# Altium PCB WX0.012.446PCB-4.2.PcbDoc (part 3 of 3)
Units mm, origin at the board's own origin, x right, y up, seen from the top; angles counter-clockwise.
Board outline 102 x 67 mm, 4 copper layers (Top Layer, GND, VCC, Bottom Layer), stack 1.581 mm thick; 212 components, 155 nets, 673 pads, 449 vias.
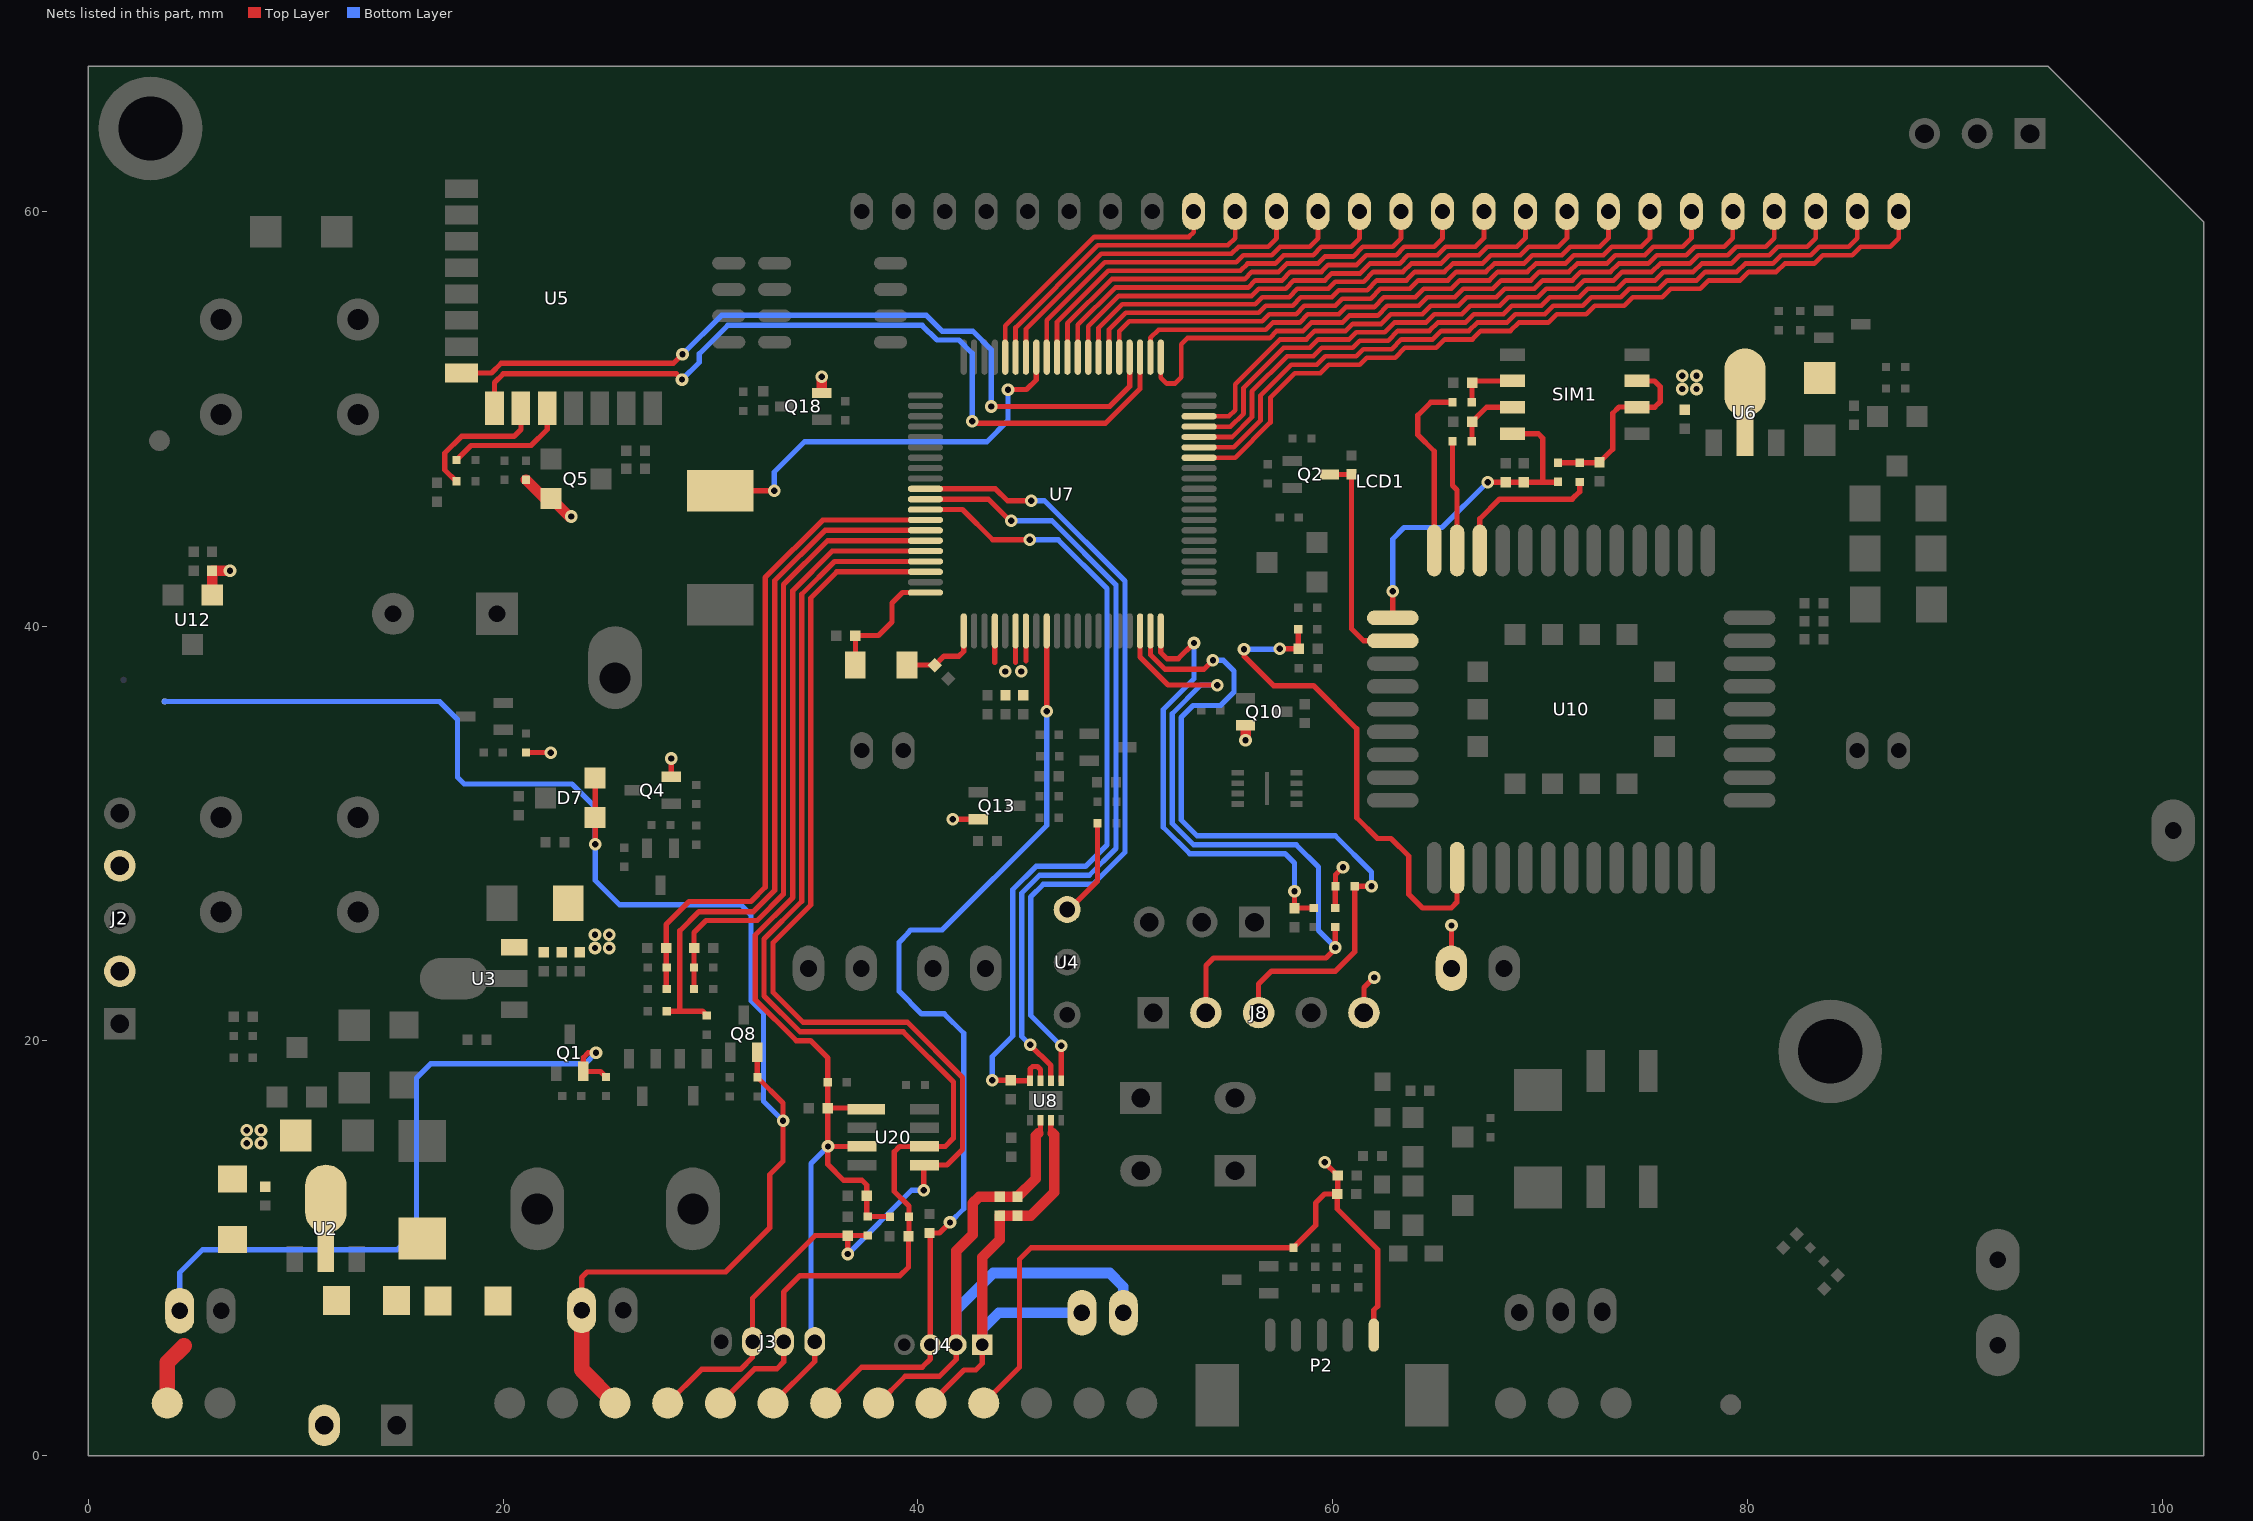
[diagram p5: the nets of this part, all layers, seen from the top]

## Via types
v1: diameter 0.61, hole 0.305, Top Layer to Bottom Layer, tented both sides, 449 vias

## Nets (pads, with @x,y where several pads share a name; then routed paths per layer and width w, separated by ;. In a path a pad name is that pad's centre, name@x,y a point inside that pad or via, vN(x,y) a via of type N, cw(c..) or ccw(c..) an arc to the next point about the centre after c; other vN are vias at no path point) (continued)
NetR39_2: R39.2 U5.10 | length 6.8
  Top Layer w0.254: R39.2@17.755,46.971 17.19,47.536 17.19,48.349 17.997,49.156 20.53,49.156 20.861,49.487 U5.10@20.861,50.509
NetR40_1: R40.1 U5.11 | length 6
  Top Layer w0.254: R40.1@17.755,48.013 18.459,48.717 21.354,48.717 22.131,49.494 U5.11@22.131,50.509
NetR48_1: R48.1 U4.1 | length 4.8
  Top Layer w0.254: U4.1@47.2,26.34 47.295,26.34 48.664,27.709 R48.1@48.664,30.501
RESET: C61.1 Q2.3 U10.15 | length 10.7
  Top Layer w0.254: Q2.3@59.852,47.317 60.881,47.317 C61.1@60.909,47.289 ; C61.1@60.909,47.32 C61.1@60.909,47.289 ; U10.15@62.9,39.3 61.487,39.3 60.909,39.878 C61.1@60.909,47.289
RST: C49.2 R95.1 U7.80 | length 22.7
  Top Layer w0.254: U7.80@51.715,39.774 51.715,38.737 52.021,38.43 52.553,38.43 v1(53.315,39.192) ; v1(58.161,27.224) C49.2@58.161,26.401 58.174,26.414 R95.1@59.096,26.414
  Bottom Layer w0.254: v1(53.315,39.192) 53.315,37.465 51.834,35.984 51.834,30.308 53.109,29.032 57.709,29.032 58.161,28.58 v1(58.161,27.224)
RXD4: U5.9 U7.23 | length 40.1
  Top Layer w0.254: U5.9@19.59,50.5 U5.9@19.591,50.509 19.591,51.747 20.015,52.172 28.346,52.172 v1(28.626,51.892) ; v1(42.621,49.886) 42.723,49.784 49.047,49.784 50.715,51.451 U7.23@50.715,52.974
  Bottom Layer w0.254: v1(28.626,51.892) 29.464,52.73 29.464,53.137 30.836,54.508 40.208,54.508 40.919,53.797 41.986,53.797 42.621,53.162 v1(42.621,49.886)
SEG0: LCD1.26 U7.14 | length 40.4
  Top Layer w0.229: U7.14@53.565,48.124 55.3,48.124 57,49.824 57,51.025 58.179,52.204 59.414,52.204 59.821,52.61 61.314,52.61 61.653,52.949 63.01,52.949 63.484,53.423 65.004,53.423 65.41,53.83 66.741,53.83 67.148,54.236 68.573,54.236 68.979,54.642 70.404,54.642 70.811,55.049 72.236,55.049 72.643,55.455 74.068,55.455 74.474,55.862 75.899,55.862 76.306,56.268 77.731,56.268 78.138,56.674 79.662,56.674 80.068,57.081 81.394,57.081 81.801,57.487 83.226,57.487 83.633,57.894 85.058,57.894 85.464,58.3 86.889,58.3 87.3,58.711 LCD1.26@87.3,60.25
SEG1: LCD1.25 U7.15 | length 38.2
  Top Layer w0.229: U7.15@53.565,48.624 55.225,48.624 56.519,49.918 56.519,51.119 58.01,52.61 59.246,52.61 59.653,53.017 61.145,53.017 61.484,53.356 62.842,53.356 63.316,53.83 64.835,53.83 65.242,54.236 66.573,54.236 66.979,54.642 68.404,54.642 68.811,55.049 70.236,55.049 70.643,55.455 72.068,55.455 72.474,55.862 73.899,55.862 74.306,56.268 75.731,56.268 76.138,56.674 77.563,56.674 77.969,57.081 79.494,57.081 79.9,57.487 81.226,57.487 81.633,57.894 83.058,57.894 83.464,58.3 84.889,58.3 85.3,58.711 LCD1.25@85.3,60.25
SEG2: LCD1.24 U7.16 | length 36
  Top Layer w0.229: U7.16@53.565,49.124 55.15,49.124 56.113,50.087 56.113,51.325 57.805,53.017 59.078,53.017 59.484,53.423 60.977,53.423 61.316,53.762 62.674,53.762 63.148,54.236 64.667,54.236 65.073,54.642 66.404,54.642 66.811,55.049 68.236,55.049 68.643,55.455 70.068,55.455 70.474,55.862 71.899,55.862 72.306,56.268 73.731,56.268 74.138,56.674 75.563,56.674 75.969,57.081 77.394,57.081 77.801,57.487 79.226,57.487 79.633,57.894 81.058,57.894 81.464,58.3 82.889,58.3 83.3,58.711 LCD1.24@83.3,60.25
SEG3: LCD1.19 U7.25 | length 28.2
  Top Layer w0.229: U7.25@49.715,52.974 49.715,54.231 50.19,54.706 56.599,54.706 56.942,55.049 58.236,55.049 58.643,55.455 60.135,55.455 60.474,55.794 61.832,55.794 62.306,56.268 63.731,56.268 64.138,56.674 65.563,56.674 65.969,57.081 67.394,57.081 67.801,57.487 69.226,57.487 69.633,57.894 71.058,57.894 71.464,58.3 72.889,58.3 73.3,58.711 LCD1.19@73.3,60.25
SEG4: LCD1.18 U7.26 | length 26.8
  Top Layer w0.229: U7.26@49.215,52.974 49.215,54.305 50.022,55.113 56.431,55.113 56.773,55.455 58.068,55.455 58.474,55.862 59.967,55.862 60.306,56.201 61.664,56.201 62.138,56.674 63.563,56.674 63.969,57.081 65.394,57.081 65.801,57.487 67.226,57.487 67.633,57.894 69.058,57.894 69.464,58.3 70.889,58.3 71.3,58.711 LCD1.18@71.3,60.25
SEG5: LCD1.17 U7.27 | length 25.7
  Top Layer w0.229: U7.27@48.715,52.974 48.715,54.38 49.854,55.519 56.263,55.519 56.605,55.862 57.899,55.862 58.306,56.268 59.799,56.268 60.138,56.607 61.495,56.607 61.969,57.081 63.394,57.081 63.801,57.487 65.226,57.487 65.633,57.894 67.058,57.894 67.464,58.3 68.889,58.3 69.3,58.711 69.3,60.25 LCD1.17@69.3,59.9
SEG6: LCD1.16 U7.28 | length 23.9
  Top Layer w0.229: U7.28@48.215,52.974 48.215,54.455 49.685,55.926 56.094,55.926 56.437,56.268 57.731,56.268 58.138,56.674 59.63,56.674 59.969,57.013 61.327,57.013 61.801,57.487 63.226,57.487 63.633,57.894 65.058,57.894 65.464,58.3 66.889,58.3 67.3,58.711 LCD1.16@67.3,60.25
SEG7: LCD1.15 U7.29 | length 23.5
  Top Layer w0.229: U7.29@47.715,52.974 47.715,54.53 49.517,56.332 55.926,56.332 56.268,56.674 57.563,56.674 57.969,57.081 59.462,57.081 59.801,57.42 61.159,57.42 61.633,57.894 63.058,57.894 63.464,58.3 64.889,58.3 65.3,58.711 65.3,60.25 LCD1.15@65.3,59.2
SEG8: LCD1.14 U7.30 | length 21
  Top Layer w0.229: U7.30@47.215,52.974 47.215,54.604 49.349,56.738 55.758,56.738 56.1,57.081 57.394,57.081 57.801,57.487 59.294,57.487 59.633,57.826 60.99,57.826 61.464,58.3 62.889,58.3 63.3,58.711 LCD1.14@63.3,60.25
SEG9: LCD1.13 U7.31 | length 19.5
  Top Layer w0.229: U7.31@46.715,52.974 46.715,54.679 49.18,57.145 55.558,57.145 55.9,57.487 57.226,57.487 57.633,57.894 59.058,57.894 59.464,58.3 60.889,58.3 61.3,58.711 LCD1.13@61.3,60.25
SEG10: LCD1.12 U7.32 | length 18
  Top Layer w0.229: U7.32@46.215,52.974 46.215,54.754 49.012,57.551 55.358,57.551 55.7,57.894 57.058,57.894 57.464,58.3 58.889,58.3 59.3,58.711 LCD1.12@59.3,60.25
SEG11: LCD1.11 U7.34 | length 16.8
  Top Layer w0.229: U7.34@45.215,52.974 45.215,54.328 48.844,57.958 55.122,57.958 55.464,58.3 56.889,58.3 57.3,58.711 LCD1.11@57.3,60.25
SEG12: LCD1.10 U7.35 | length 15.3
  Top Layer w0.229: U7.35@44.715,52.974 44.715,54.403 48.675,58.364 54.953,58.364 55.3,58.711 LCD1.10@55.3,60.25
SEG32: LCD1.23 U7.17 | length 33.8
  Top Layer w0.229: U7.17@53.565,49.624 55.075,49.624 55.706,50.255 55.706,51.493 57.637,53.423 58.909,53.423 59.316,53.83 60.809,53.83 61.148,54.169 62.505,54.169 62.979,54.642 64.499,54.642 64.905,55.049 66.236,55.049 66.643,55.455 68.068,55.455 68.474,55.862 69.899,55.862 70.306,56.268 71.731,56.268 72.138,56.674 73.563,56.674 73.969,57.081 75.394,57.081 75.801,57.487 77.226,57.487 77.633,57.894 79.058,57.894 79.464,58.3 80.889,58.3 81.3,58.711 LCD1.23@81.3,60.25
SEG33: LCD1.22 U7.18 | length 31.7
  Top Layer w0.229: U7.18@53.565,50.124 55.001,50.124 55.3,50.423 55.3,51.661 57.468,53.83 58.741,53.83 59.148,54.236 60.64,54.236 60.979,54.575 62.337,54.575 62.811,55.049 64.33,55.049 64.737,55.455 66.068,55.455 66.474,55.862 67.899,55.862 68.306,56.268 69.731,56.268 70.138,56.674 71.563,56.674 71.969,57.081 73.394,57.081 73.801,57.487 75.226,57.487 75.633,57.894 77.058,57.894 77.464,58.3 78.889,58.3 79.3,58.711 79.3,60.25 LCD1.22@79.3,60.1
SEG34: LCD1.21 U7.21 | length 32.1
  Top Layer w0.229: U7.21@51.715,52.974 51.715,51.985 52,51.7 52.4,51.7 52.7,52 52.7,53.594 53,53.894 56.958,53.894 57.3,54.236 58.573,54.236 58.979,54.642 60.472,54.642 60.811,54.981 62.169,54.981 62.643,55.455 64.162,55.455 64.568,55.862 65.899,55.862 66.306,56.268 67.731,56.268 68.138,56.674 69.563,56.674 69.969,57.081 71.394,57.081 71.801,57.487 73.226,57.487 73.633,57.894 75.058,57.894 75.464,58.3 76.889,58.3 77.3,58.711 LCD1.21@77.3,60.25
SEG35: LCD1.20 U7.22 | length 28.5
  Top Layer w0.229: U7.22@51.215,52.974 51.215,53.908 51.606,54.3 56.768,54.3 57.11,54.642 58.404,54.642 58.811,55.049 60.304,55.049 60.643,55.388 62,55.388 62.474,55.862 63.994,55.862 64.4,56.268 65.731,56.268 66.138,56.674 67.563,56.674 67.969,57.081 69.394,57.081 69.801,57.487 71.226,57.487 71.633,57.894 73.058,57.894 73.464,58.3 74.889,58.3 75.3,58.711 LCD1.20@75.3,60.25
SEG36: LCD1.9 U7.36 | length 13.7
  Top Layer w0.229: U7.36@44.215,52.974 44.215,54.478 48.507,58.77 53.07,58.77 53.3,59 LCD1.9@53.3,60.25
SIM_CLK: R52.1 U10.13 | length 8.8
  Top Layer w0.254: U10.13@64.9,43.65 64.9,48.435 64.11,49.225 64.11,50.171 64.738,50.8 R52.1@65.783,50.8
SIM_DATA: R21.1 U10.11 | length 7.4
  Top Layer w0.254: U10.11@67.1,43.65 67.1,45.18 68.047,46.126 71.552,46.126 71.914,46.489 R21.1@71.914,46.959
SIM_RST: R17.1 U10.12 | length 5.4
  Top Layer w0.254: R17.1@65.783,48.92 65.783,46.79 66,46.573 U10.12@66,43.65
SWCLK: J8.2 R94.1 U7.78 | length 35.6
  Top Layer w0.254: U7.78@50.715,39.774 50.715,38.516 52.07,37.16 v1(54.432,37.16) ; J8.2@53.892,21.371 53.892,23.64 54.254,24.003 59.681,24.003 60.133,24.455 v1(60.133,24.511) R94.1@60.133,25.493
  Bottom Layer w0.254: v1(54.432,37.16) 53.645,37.16 52.266,35.781 52.266,30.486 53.288,29.464 58.242,29.464 59.32,28.386 59.32,25.324 v1(60.133,24.511)
SWIO: J8.3 R93.2 U7.79 | length 36.5
  Top Layer w0.254: U7.79@51.215,39.774 51.215,38.626 51.919,37.922 53.797,37.922 v1(54.229,38.354) ; J8.3@56.432,21.371 56.432,22.751 57.048,23.368 60.14,23.368 61.064,24.293 R93.2@61.064,27.457 ; R93.2@61.163,27.359 R93.2@61.064,27.457 ; v1(61.874,27.457) R93.2@61.064,27.457
  Bottom Layer w0.254: v1(54.229,38.354) 54.737,38.354 55.245,37.846 55.245,36.824 54.602,36.181 53.276,36.181 52.697,35.602 52.697,30.665 53.467,29.896 60.128,29.896 61.874,28.15 v1(61.874,27.457)
TXD4: U5.8 U7.24 | length 38.6
  Top Layer w0.254: U5.8@18.001,52.209 19.442,52.209 19.913,52.68 28.219,52.68 v1(28.651,53.111) ; v1(43.536,50.597) 49.25,50.597 50.215,51.562 U7.24@50.215,52.974
  Bottom Layer w0.254: v1(28.651,53.111) 30.531,54.991 40.411,54.991 41.173,54.229 42.647,54.229 43.536,53.34 v1(43.536,50.597)
USIM_CLK: C52.1 R52.2 SIM1.6 | length 2.9
  Top Layer w0.254: R52.2@66.703,50.8 66.726,50.823 C52.1@66.726,51.74 66.812,51.826 SIM1.6@68.682,51.826
USIM_DATA: C56.1 R20.1 R21.2 SIM1.2 SIM1.3 | length 9.3
  Top Layer w0.254: R20.1@70.866,47.882 72.85,47.882 C56.1@72.873,47.904 73.508,48.539 73.508,50.267 73.807,50.566 SIM1.2@74.418,50.566 ; SIM1.2@74.443,50.541 74.468,50.566 74.479,50.556 75.53,50.556 75.794,50.82 75.794,51.557 75.526,51.826 SIM1.3@74.479,51.826
USIM_RST: C24.1 R17.2 SIM1.7 | length 3.4
  Top Layer w0.254: R17.2@66.703,48.92 66.726,48.943 C24.1@66.726,49.86 67.421,50.556 SIM1.7@68.682,50.556 ; SIM1.7@68.682,50.592 SIM1.7@68.936,50.592
USIM_VDD: C25.2 C26.1 R20.2 SIM1.8 U10.14 | length 16.6
  Top Layer w0.254: U10.14@62.9,40.4 v1(62.9,41.691) ; v1(67.488,46.939) C26.1@68.351,46.939 C25.2@69.215,46.939 70.129,46.939 ; SIM1.8@68.682,49.286 69.917,49.286 70.129,49.073 70.129,46.939 ; R20.2@70.843,46.939 70.129,46.939
  Bottom Layer w0.254: v1(62.9,41.691) 62.9,44.206 63.449,44.755 65.278,44.755 67.462,46.939 v1(67.488,46.939)
VBAT: D7.1 D7.2 D9.1 J1.2 P4.1 Q8.2 R26.2 VBAT.1 | length 78.6
  Top Layer w0.254: 23.79,4.454 25.4,2.845 VBAT.1@25.4,2.54 ; J1.2@23.79,7.01 23.79,8.601 24.054,8.865 30.734,8.865 32.855,10.986 32.855,13.551 33.503,14.199 v1(33.503,16.154) 33.503,17.011 32.258,18.255 Q8.2@32.258,19.457 ; v1(24.441,29.489) D7.1@24.441,30.775 D7.2@24.441,32.675
  Top Layer w0.762: J1.2@23.79,7.01 23.79,4.454 23.79,4.15 VBAT.1@25.4,2.54
  Bottom Layer w0.254: P4.1@3.683,36.373 16.942,36.373 17.805,35.509 17.805,32.715 18.129,32.391 23.326,32.391 24.441,31.276 v1(24.441,29.489) 24.441,27.75 25.622,26.568 31.471,26.568 31.956,26.083 31.956,21.943 32.563,21.336 32.563,17.094 v1(33.503,16.154)
VBAT_SENSE_ADC14: C34.2 R24.2 R35.1 U7.55 | length 30.4
  Top Layer w0.254: R24.2@29.21,22.504 C34.2@29.21,24.463 ; C34.2@29.213,24.486 29.213,25.225 29.794,25.806 32.255,25.806 33.528,27.08 33.528,42.012 35.64,44.124 U7.55@40.365,44.124
VCC: C5.1 C6.1 C13.2 C17.1 C18.1 C30.1 C31.1 C44.2 C57.1 D1.1 J8.5 P2.5 Q4.2 Q5.2 Q10.2 Q13.2 Q18.2 R7.2 R27.2 R59.2 R93.1 R94.2 U3.3 U7.64 U7.66 U7.67 U12.1 VCC.1 | length 54.7
  Top Layer w0.254: R27.2@21.107,33.906 v1(22.298,33.906) ; Q4.2@28.11,32.738 v1(28.11,33.621) ; v1(41.692,30.694) Q13.2@42.917,30.694 ; VCC.1@43.18,2.54 44.907,4.267 44.907,9.474 45.469,10.036 R59.2@58.115,10.036 59.182,11.103 59.182,12.192 59.614,12.624 C31.1@60.223,12.624 ; 43.715,38.252 U7.64@43.715,39.774 ; 44.715,38.261 U7.66@44.715,39.774 ; 45.215,38.326 U7.67@45.215,39.774 ; v1(59.614,14.148) C30.1@60.249,13.513 60.249,12.649 C31.1@60.223,12.624 ; R94.2@60.133,26.413 60.133,27.446 R93.1@60.144,27.457 60.144,28.013 v1(60.503,28.372) ; J8.5@61.512,21.371 61.512,22.574 v1(62.001,23.063) ; P2.5@62.009,5.794 P2.5@61.987,5.817 61.987,7.021 62.179,7.214 62.179,9.938 60.223,11.894 C31.1@60.223,12.624 ; D1.1@65.73,23.5 v1(65.73,25.573)
  Top Layer w0.508: C57.1@5.969,42.672 v1(6.833,42.672) ; U12.1@5.979,41.51 C57.1@5.979,42.637 ; R7.2@21.107,47.063 22.013,46.158 Q5.2@22.321,46.158 23.19,45.288 v1(23.292,45.288) ; Q18.2@35.366,51.247 v1(35.366,52.036) ; v1(55.801,34.496) Q10.2@55.801,35.232
  other v1: 24.435,24.486 25.121,24.486 24.435,25.121 25.121,25.121 44.221,37.821 44.983,37.821
VDD_EXT: C62.1 R55.1 U10.24 | length 24.6
  Top Layer w0.254: v1(55.728,38.887) 55.728,38.557 57.15,37.135 59.08,37.135 61.163,35.052 61.163,30.763 62.157,29.769 62.814,29.769 63.678,28.905 63.678,27.072 64.334,26.416 65.721,26.416 66,26.695 U10.24@66,28.35 ; v1(57.455,38.913) C62.1@58.369,38.913 ; C62.1@58.341,38.941 R55.1@58.341,39.853
  Bottom Layer w0.254: v1(55.728,38.887) 57.429,38.887 v1(57.455,38.913)
VIN: D2.1 D4.1 J7.2 Q1.2 R10.2 VIN1.1 | length 36.3
  Top Layer w0.254: v1(24.486,19.431) 24.105,19.431 23.866,19.192 Q1.2@23.866,18.533 24.7,18.533 R10.2@24.968,18.265
  Top Layer w0.762: VIN1.1@3.81,2.54 3.81,4.496 4.623,5.309
  Bottom Layer w0.254: J7.2@4.41,7 4.41,8.83 5.512,9.931 14.884,9.931 15.824,10.871 15.824,18.218 16.504,18.898 23.952,18.898 v1(24.486,19.431)
VIN1: C4.1 D2.2 J2.2 R42.1 U2.2
  other v1: 7.645,15.062 8.331,15.062 7.645,15.697 8.331,15.697
VIN_NB: C15.1 C23.1 D4.2 D8.2 D9.2 J2.4 R50.1 U6.2
  other v1: 76.86,51.435 77.546,51.435 76.86,52.07 77.546,52.07
VIN_SENSE_ADC6: C40.2 R9.2 R13.1 U7.53 | length 32.5
  Top Layer w0.254: R9.2@27.892,22.504 27.864,22.533 27.864,25.622 28.962,26.721 31.948,26.721 32.639,27.412 32.639,42.344 35.419,45.124 U7.53@40.365,45.124
VLV_B: C37.2 C41.1 J4.1 J6.2 M_B.1 U8.3 | length 23.3
  Top Layer w0.254: M_B.1@40.64,2.54 42.234,4.134 42.793,4.134 43.104,4.445 J4.1@43.104,5.354 ; U8.3@46.416,16.178 46.416,15.64 46.497,15.56
  Top Layer w0.508: J4.1@43.104,5.354 43.104,9.576 43.942,10.414 C41.1@43.942,11.582 43.957,11.568 45.451,11.568 46.584,12.7 46.584,15.473 46.497,15.56
  Bottom Layer w0.508: J4.1@43.104,5.354 43.104,6.096 43.906,6.898 J6.2@47.91,6.898
VLV_CLOSE: U7.50 U8.5 | length 39.5
  Top Layer w0.254: U7.50@40.365,46.624 43.749,46.624 44.323,46.05 v1(45.466,46.05) ; U8.5@46.916,18.078 v1(46.916,19.763)
  Bottom Layer w0.254: v1(45.466,46.05) 46.11,46.05 49.987,42.173 49.987,29.1 48.446,27.559 46.051,27.559 45.441,26.948 45.441,21.239 v1(46.916,19.763)
VLV_O/C_DET: C16.1 DW1.1 J4.3 U7.69 | length 47.8
  Top Layer w0.254: DW1.1@35.56,2.54 37.287,4.267 40.208,4.267 40.604,4.663 J4.3@40.604,5.354 C16.1@40.604,10.744 ; C16.1@40.604,10.704 C16.1@40.564,10.744 41.046,10.744 v1(41.554,11.252) ; v1(46.215,35.904) U7.69@46.215,39.774
  Bottom Layer w0.254: 39.522,25.222 39.649,25.349 41.173,25.349 46.215,30.39 v1(46.215,35.904) ; 39.539,25.205 39.091,24.756 39.091,22.403 40.183,21.311 41.275,21.311 42.215,20.371 42.215,11.913 v1(41.554,11.252)
VLV_OPEN: U7.51 U8.6 | length 38.7
  Top Layer w0.254: U7.51@40.365,46.124 43.411,46.124 44.45,45.085 v1(44.501,45.085) ; v1(45.415,19.812) 46.416,18.811 U8.6@46.416,18.078
  Bottom Layer w0.254: v1(44.501,45.085) 46.464,45.085 49.555,41.994 49.555,29.279 48.268,27.991 45.872,27.991 45.009,27.127 45.009,20.218 v1(45.415,19.812)
VLV_R: C37.1 C41.2 J4.2 J6.1 M_R.1 U8.2 | length 30.9
  Top Layer w0.254: M_R.1@38.1,2.54 39.395,3.835 41.046,3.835 41.854,4.643 J4.2@41.854,5.354 ; 45.916,15.596 U8.2@45.916,16.178
  Top Layer w0.508: J4.2@41.854,5.354 41.854,9.876 42.647,10.668 42.647,12.187 42.957,12.497 C41.2@43.942,12.497 43.957,12.482 C37.1@44.808,12.482 45.684,13.358 45.684,15.433 45.811,15.56
  Bottom Layer w0.508: J4.2@41.854,5.354 41.854,7.031 43.637,8.814 49.251,8.814 49.91,8.154 J6.1@49.91,6.898
VLV_SLEEP: C48.2 U7.52 U8.7 U8.8 | length 41.3
  Top Layer w0.254: U7.52@40.365,45.624 42.159,45.624 43.612,44.171 v1(45.39,44.171) ; v1(43.586,18.11) C48.2@44.475,18.11 44.508,18.078 U8.8@45.416,18.078 45.416,18.643 45.544,18.771 45.771,18.771 45.916,18.625 U8.7@45.916,18.078
  Bottom Layer w0.254: v1(43.586,18.11) 43.586,19.253 44.577,20.244 44.577,27.306 45.694,28.423 48.089,28.423 49.124,29.458 49.124,41.815 46.768,44.171 v1(45.39,44.171)
VOL_SENSE_EN: R14.1 R36.1 U7.54 | length 34.5
  Top Layer w0.254: R14.1@27.892,21.438 29.615,21.438 R36.1@29.824,21.228 ; 28.524,21.438 28.524,25.316 29.446,26.238 32.076,26.238 33.096,27.258 33.096,42.19 35.53,44.624 U7.54@40.365,44.624
WY_POW: C10.1 C64.1 J3.1 POW.1 R22.2 R29.1 R30.1 U7.56 U20.1 U20.3 | length 59.5
  Top Layer w0.254: POW.1@33.02,2.54 35.029,4.549 J3.1@35.029,5.504 ; U20.3@37.311,14.917 v1(35.669,14.917) ; U20.3@37.315,14.913 U20.3@37.32,14.917 ; U20.1@37.473,16.764 C64.1@35.662,16.764 ; U20.1@37.473,16.764 U20.1@37.52,16.717 ; R30.1@38.608,11.538 38.604,11.542 R29.1@37.586,11.542 37.535,11.593 37.535,13.062 37.313,13.284 36.424,13.284 35.662,14.046 35.662,14.91 v1(35.669,14.917) ; U7.56@40.365,43.624 35.875,43.624 33.974,41.723 33.974,26.914 32.156,25.097 32.156,21.994 34.135,20.015 34.823,20.015 35.662,19.177 C64.1@35.662,16.764 ; C64.1@35.662,16.764 35.662,14.917 v1(35.669,14.917)
  Bottom Layer w0.254: J3.1@35.029,5.504 34.85,5.683 34.85,14.098 v1(35.669,14.917)
WY_SCL: C39.2 J3.3 R29.2 SCL.1 U7.58 U20.5 | length 64
  Top Layer w0.254: SCL.1@27.94,2.54 29.566,4.166 31.445,4.166 32.029,4.75 J3.3@32.029,5.504 32.029,7.594 35.056,10.622 R29.2@37.586,10.622 ; v1(36.627,9.728) C39.2@36.627,10.617 ; v1(40.284,12.802) 40.284,13.99 U20.5@40.311,14.017 41.398,14.017 42.156,14.775 42.156,18.245 39.497,20.904 34.468,20.904 33.02,22.352 33.02,24.74 34.837,26.557 34.837,41.365 36.096,42.624 U7.58@40.365,42.624
  Bottom Layer w0.254: v1(36.627,9.728) 39.7,12.802 v1(40.284,12.802)
WY_SDA: C45.1 J3.2 R30.2 SDA.1 U7.57 U20.6 | length 63.1
  Top Layer w0.254: SDA.1@30.48,2.54 32.131,4.191 33.198,4.191 33.529,4.522 J3.2@33.529,5.504 33.529,7.899 34.317,8.687 39.141,8.687 39.548,9.093 C45.1@39.548,10.592 39.576,10.62 39.576,12.037 38.862,12.751 38.862,14.656 39.124,14.917 ; 39.124,14.917 U20.6@40.311,14.917 41.325,14.917 41.725,15.316 41.725,18.016 39.294,20.447 34.314,20.447 32.588,22.173 32.588,24.918 34.405,26.736 34.405,41.544 35.985,43.124 U7.57@40.365,43.124
X1: S3.1 U7.33 | length 19.8
  Top Layer w0.254: S3.1@30.607,46.533 v1(33.071,46.533) ; v1(44.348,51.41) 45.237,51.41 45.715,51.887 U7.33@45.715,52.974
  Bottom Layer w0.254: v1(33.071,46.533) 33.071,47.422 34.544,48.895 43.332,48.895 44.348,49.911 v1(44.348,51.41)
XT1: C28.2 U7.61 Y2.1 | length 3.9
  Top Layer w0.254: Y2.1@39.482,38.121 39.487,38.125 C28.2@40.742,38.125 ; C28.2@40.825,38.118 41.263,38.557 41.986,38.557 42.215,38.786 U7.61@42.215,39.774
XT2: C7.2 U7.60 Y2.2 | length 5.6
  Top Layer w0.254: Y2.2@36.982,38.687 36.993,38.698 C7.2@36.993,39.542 ; C7.2@36.982,39.548 38.103,39.548 38.76,40.206 38.76,41.123 39.262,41.624 U7.60@40.365,41.624
pads on no net: LCD1.27 LCD1.28 LCD1.29 LCD1.30 MARK1.0 MARK1.1 MARK2.0 MARK2.1 SIM1.4 SIM1.5 U1.9 U5.2 U5.3 U5.4 U5.5 U5.6 U5.7 U5.12 U5.13 U9.2 U9.4 U10.2 U10.3 U10.4 U10.5 U10.6 U10.7 U10.8 U10.9 U10.16 U10.19 U10.20 U10.21 U10.22 U10.23 U10.25 U10.26 U10.28 U10.29 U10.30 U10.31 U10.32 U10.33 U10.44 U10.45 U10.46 U10.47 U10.48 U10.49 U10.50 U10.51 U10.52 U10.53 U10.54 U10.55 U10.56 U10.57 U10.58 U20.4 U20.7 W1.0

## Polygon pours and split planes (outlines as drawn)
GND on Bottom Layer "Top Layer-No Net" (solid, remove dead copper, pour order 5): -0.025,0 101.695,0 101.721,-0.025 101.721,59.475 94.221,66.975 -0.279,66.975
GND on Top Layer "Top Layer-No Net" (solid, remove dead copper, pour order 4): 0,0 101.721,0 101.746,-0.025 101.746,59.475 94.246,66.975 -0.254,66.975
GND on GND (split plane): 101.49,59.289 101.49,53.5 101.49,51.5 94.5,51.5 94.5,32.5 90,32.5 90,0.51 77.267,0.51 77.267,14.554 75.895,15.926 72.339,15.926 71.425,16.84 71.425,18.796 70.891,19.329 68.758,19.329 67.081,17.653 67.081,11.176 69.139,9.119 69.926,8.331 69.926,0.51 0.51,0.51 0.51,57.6 10.262,57.6 10.262,62 36.1,62 36.1,66.49 94.289,66.49
NetC12_1 on VCC (split plane): 15.568,19.504 15.568,17.196 15.578,17.146 15.606,17.104 16.19,16.52 16.232,16.492 16.281,16.482 41.018,16.482 42.987,14.513 43.029,14.485 43.078,14.476 44.044,14.476 44.093,14.485 44.135,14.513 44.592,14.971 44.62,15.013 44.63,15.062 44.63,16.812 49.578,16.812 52.271,14.12 52.271,11.839 41.151,11.839 39.487,13.503 39.445,13.531 39.395,13.541 14.887,13.541 13.083,15.344 13.083,16.942 13.074,16.991 13.046,17.033 10.15,19.929 9.502,20.577 9.502,22.146 12.926,22.146
5V on VCC (split plane): 44.371,16.888 44.371,15.116 43.99,14.734 43.132,14.734 41.163,16.703 41.121,16.731 41.072,16.741 16.335,16.741 15.827,17.249 15.827,19.429 41.831,19.429
GND on VCC (split plane): 101.49,59.289 101.49,53.5 101.49,51.385 94.308,51.385 94.308,32.385 89.808,32.385 89.808,0.51 77.267,0.51 77.267,14.554 75.895,15.926 72.339,15.926 71.425,16.84 71.425,18.796 70.891,19.329 68.758,19.329 67.081,17.653 67.081,11.176 69.139,9.119 69.926,8.331 69.926,0.51 13.007,0.51 13.007,7.033 13.3,7.325 14.328,8.354 61.57,8.354 61.619,8.364 61.661,8.392 64.176,10.907 64.204,10.949 64.214,10.998 64.214,16.202 70.78,22.768 70.808,22.81 70.818,22.86 70.818,41.323 73.104,43.609 76.124,43.609 76.173,43.619 76.215,43.647 78.501,45.933 78.529,45.975 78.539,46.025 78.539,52.883 78.529,52.932 78.501,52.974 77.79,53.686 77.748,53.714 77.699,53.723 76.327,53.723 76.277,53.714 76.235,53.686 75.296,52.746 75.268,52.704 75.258,52.654 75.258,47.679 74.318,46.738 70.968,46.738 70.918,46.729 70.876,46.701 66.99,42.814 66.962,42.772 66.952,42.723 66.952,27.307 63.528,27.307 61.47,29.365 61.47,35.103 61.461,35.152 61.433,35.194 60.264,36.363 60.222,36.391 60.173,36.401 51.311,36.401 48.11,39.601 48.11,52.197 48.1,52.247 48.072,52.289 47.539,52.822 47.497,52.85 47.447,52.86 34.773,52.86 34.723,52.85 34.681,52.822 30.02,48.161 16.764,48.161 16.714,48.151 16.672,48.123 14.348,45.799 6.528,45.799 6.478,45.789 6.436,45.761 5.979,45.304 5.951,45.262 5.941,45.212 5.941,42.215 5.951,42.165 5.979,42.123 6.462,41.641 6.504,41.613 6.553,41.603 7.544,41.603 7.593,41.613 7.635,41.641 8.067,42.072 8.095,42.114 8.105,42.164 8.105,43.076 8.639,43.609 20.063,43.609 21.334,42.339 21.334,23.238 21.318,23.214 21.308,23.165 21.318,23.115 21.346,23.073 21.371,23.048 21.93,22.489 24.165,20.254 24.732,19.687 15.751,19.687 13.071,22.367 13.029,22.395 12.979,22.405 9.502,22.405 9.502,27.838 9.492,27.888 9.464,27.93 7.61,29.784 7.568,29.812 7.518,29.822 0.51,29.822 0.51,57.6 10.262,57.6 10.262,62 36.1,62 36.1,66.49 94.289,66.49
VCC on VCC (split plane): 47.851,52.143 47.851,39.548 47.861,39.498 47.889,39.456 51.166,36.18 51.208,36.152 51.257,36.142 60.119,36.142 61.212,35.049 61.212,29.312 61.221,29.262 61.249,29.22 63.383,27.086 63.425,27.058 63.475,27.049 66.952,27.049 66.952,24.488 60.741,18.278 60.713,18.236 60.704,18.186 60.704,13.566 58.976,11.839 52.53,11.839 52.53,14.173 52.52,14.223 52.492,14.265 49.723,17.033 49.681,17.061 49.632,17.071 44.554,17.071 41.976,19.65 41.934,19.678 41.885,19.687 25.098,19.687 24.349,20.437 21.592,23.193 21.592,42.393 21.583,42.442 21.555,42.484 20.208,43.83 20.166,43.858 20.117,43.868 8.585,43.868 8.536,43.858 8.494,43.83 7.884,43.221 7.856,43.179 7.846,43.129 7.846,42.218 7.49,41.862 6.607,41.862 6.2,42.268 6.2,45.158 6.581,45.54 14.402,45.54 14.451,45.55 14.493,45.578 16.818,47.902 30.074,47.902 30.123,47.912 30.165,47.94 34.826,52.601 47.394,52.601
VIN_NB on VCC (split plane): 78.28,52.829 78.28,46.078 76.07,43.868 73.05,43.868 73.001,43.858 72.959,43.83 70.597,41.468 70.569,41.426 70.559,41.377 70.559,22.914 63.993,16.348 63.965,16.306 63.955,16.256 63.955,11.052 61.516,8.613 14.275,8.613 14.225,8.603 14.183,8.575 13.116,7.508 12.786,7.178 12.758,7.136 12.748,7.087 12.748,0.51 10.213,0.51 10.213,4.089 10.213,10.77 10.213,16.434 10.203,16.483 10.175,16.525 9.007,17.694 7.191,19.51 7.191,24.079 7.181,24.129 7.153,24.171 4.003,27.32 3.961,27.348 3.912,27.358 0.51,27.358 0.51,29.563 7.465,29.563 9.243,27.785 9.243,22.276 9.243,21.92 9.243,20.523 9.253,20.474 9.281,20.432 9.967,19.746 12.825,16.888 12.825,15.291 12.834,15.241 12.862,15.199 14.742,13.32 14.784,13.292 14.834,13.282 39.342,13.282 41.006,11.618 41.048,11.59 41.097,11.58 59.03,11.58 59.079,11.59 59.121,11.618 60.925,13.421 60.953,13.463 60.962,13.513 60.962,18.133 67.173,24.343 67.201,24.385 67.211,24.435 67.211,27.178 67.211,42.669 71.021,46.48 74.371,46.48 74.421,46.489 74.463,46.517 75.479,47.533 75.507,47.575 75.517,47.625 75.517,52.601 76.381,53.465 77.645,53.465
VIN1 on VCC (split plane): 6.932,24.026 6.932,19.456 6.942,19.407 6.97,19.365 8.824,17.511 9.954,16.38 9.954,14.353 7.166,14.353 6.505,15.014 6.505,17.17 6.495,17.22 6.467,17.262 4.371,19.358 4.371,21.488 4.361,21.538 4.333,21.58 3.673,22.24 3.631,22.268 3.581,22.278 0.51,22.278 0.51,27.099 3.858,27.099
GND on VCC (split plane): 4.112,21.435 4.112,19.304 4.122,19.254 4.15,19.212 6.246,17.117 6.246,14.961 6.256,14.911 6.284,14.869 7.02,14.132 7.062,14.104 7.112,14.095 9.954,14.095 9.954,10.77 9.954,4.089 9.954,0.51 0.51,0.51 0.51,22.019 3.528,22.019

## Keep-outs
Keep-Out Layer:
  circle w0.254: c3,222.3 r1.55
  circle w0.127: c5.004,246.237 r0.3
  circle w0.254: c9.7,246.3 r1.55
  circle w0.254: c84,269.8 r1.55
  circle w0.254: c3,153.7 r1.55
  circle w0.127: c5.004,177.637 r0.3
  circle w0.254: c9.7,177.7 r1.55
  circle w0.254: c84,201.2 r1.55
  circle w0.254: c3,85.1 r1.55
  circle w0.127: c5.004,109.037 r0.3
  circle w0.254: c9.7,109.1 r1.55
  circle w0.254: c84,132.6 r1.55
  circle w0.254: c84,64 r1.55
  circle w0.254: c9.7,40.5 r1.55
  circle w0.127: c5.004,40.437 r0.3
  circle w0.254: c3,16.5 r1.55
  pour cut-out: 69.926,0 69.926,8.331 69.139,9.119 67.081,11.176 67.081,17.653 68.758,19.329 70.891,19.329 71.425,18.796 71.425,16.84 72.339,15.926 75.895,15.926 77.267,14.554 77.267,0
  pour cut-out: 0,67 0,57.6 10.262,57.6 10.262,67
  pour cut-out: 9,67 9,62 36.1,62 36.1,67
  pour cut-out: 94.308,51.385 94.308,32.385 89.808,32.385 89.808,0 102,0 102,35.902 102,51.385
  lines w0.254: -5,272.8 0,272.8 ; -5,272.8 -5,0 0,0 ; 102,35.5 102,45.5 102,53.5 ; 102,68.6 102,84.1 102.005,84.1 102.005,104.097 ; 102,104.1 102,114.1 102,122.1 ; 102,172.7 102,182.7 102,190.7 102,196.7 94.5,204.2 0,204.2 ; 102,241.3 102,251.3 102,259.3 102,265.3 94.5,272.8 0,272.8 ; 102,0 0,0 ; 102,53.5 102,59.5 94.5,67 0,67 ; 102,122.1 102,128.1 94.5,135.6 0,135.6 ; 102.005,35.497 102.005,15.5 102,15.5 102,0 ; 102.005,172.697 102.005,152.7 102,152.7 102,137.2 ; 102.005,241.297 102.005,221.3 102,221.3 102,205.8 ; 0,137.2 102,137.2 ; 0,137.2 0,204.2 ; 0,137.2 0,135.6 0,137.2 ; 0,137.2 102,137.2 ; 0,137.2 0,204.2 ; 0,204.2 0,205.8 ; 0,204.2 0,205.8 ; 0,205.8 102,205.8 ; 0,205.8 0,272.8 ; 0,205.8 102,205.8 ; 0,205.8 0,272.8 ; 0,0 0,67 ; 0,67 0,68.6 ; 0,68.6 102,68.6 0,68.6 ; 0,68.6 0,135.6 ; 0,68.6 0,135.6 ; 102,0 102,272.8 107,272.8 107,0 102,0

## Other copper
Top Layer:
  region net VIN1: 6.807,14.199 7.137,14.529 7.137,15.977 7.645,16.485 8.865,16.485 8.865,14.376 8.687,14.199
  region net GND: 87.935,39.827 87.376,39.268 84.531,39.268 84.277,39.522 84.277,37.338 84.379,37.236 84.785,37.643 89.306,37.643 89.84,38.176 89.826,38.19 89.826,46.86 89.569,47.117 88.265,47.117 87.935,46.787
  region net GND: 83.363,41.355 83.464,41.457 84.197,41.457 84.379,41.275 84.379,37.236 83.744,36.601 83.21,36.601 82.194,35.585 78.842,35.585 78.715,35.712 78.715,37.389 78.842,37.516 82.906,37.516 83.363,37.973
  region net GPRS_3.6V: 81.636,39.7 82.042,40.107 82.042,42.748 83.058,43.764 83.591,43.764 83.871,44.044 83.871,46.355 85.827,48.311 87.757,48.311 87.833,48.235 87.833,47.244 87.554,46.965 87.046,46.965 86.868,46.787 86.868,40.005 86.563,39.7 85.014,39.7 84.684,40.03 84.684,41.681 84.455,41.91 83.312,41.91 83.033,41.631 83.033,38.075 82.779,37.821 78.994,37.821 78.791,38.024 78.791,39.497 78.994,39.7
  region net NetC21_1: 80.848,49.657 81.153,49.962 85.522,49.962 85.674,50.114 85.674,50.571 85.75,50.648 86.868,50.648 86.919,50.597 86.919,49.555 86.411,49.047 84.938,49.047 84.658,48.768 84.658,48.463 84.163,47.968 81.217,47.968 81.178,47.93 80.848,48.26
  region net 5V: 44.78,15.596 44.755,15.621 44.145,15.621 44.018,15.748 44.018,16.459 43.967,16.51 43.307,16.51 43.078,16.281 43.078,14.91 43.231,14.757 43.84,14.757 44.12,15.037 44.729,15.037 44.78,15.088
  region net VIN_NB: 80.164,52.711 76.943,52.711 76.454,52.222 76.454,50.343 76.6,50.197 79.961,50.197 80.164,50.4
  region net EARTH: 1.3,62.2 5.41,58.09 9.22,58.09 9.398,58.268 9.398,61.102 4.8,65.7
  region net VIN_NB: 84.252,53.035 84.48,52.807 84.48,51.232 84.353,51.105 80.289,51.105 79.959,51.435 79.959,52.908 80.086,53.035
  region net VCC: 43.637,38.608 45.339,38.608 45.339,36.424 45.314,36.398 43.993,36.398 43.891,36.5 43.891,37.44 43.586,37.744 43.586,38.557
  region net VIN1: 6.223,12.598 10.668,12.598 11.049,12.979 11.049,16.256 10.82,16.485 8.865,16.485 8.712,16.332 8.712,14.58 8.331,14.199 6.121,14.199 5.944,14.021 5.944,12.878
  region net NetC12_1: 8.992,21.666 9.373,22.047 13.411,22.047 13.818,21.641 13.818,20.193 13.487,19.863 11.455,19.863 10.643,19.05 9.195,19.05 8.992,19.253
  pour cut-out: 71.247,17.399 72.187,17.399 72.187,18.821 71.247,18.821
  region net VCC: 22.123,26.949 22.123,25.679 21.692,25.248 19.812,25.248 19.482,24.917 19.482,24.181 19.761,23.901 25.273,23.901 25.527,24.155 25.527,25.324 25.298,25.552 24.536,25.552 24.282,25.806 24.282,27.711 24.054,27.94 22.352,27.94 22.123,27.711
  region net GND: 18.898,25.832 19.101,25.629 20.803,25.629 20.879,25.705 20.879,28.854 20.676,29.058 19.152,29.058 18.898,28.804
  region net 3.6V: 14.427,20.777 14.427,21.539 15.418,22.53 18.212,22.53 18.669,22.073 18.669,19.888 18.44,19.66 14.808,19.66 14.402,20.066 14.402,20.777
  region net 5V: 10.439,17.831 10.541,17.932 11.1,17.932 11.481,18.313 11.481,18.644 11.608,18.771 17.424,18.771 18.009,18.186 18.009,14.427 17.424,13.843 15.215,13.843 14.427,13.056 14.427,9.119 14.046,8.738 12.573,8.738 12.446,8.865 12.446,10.287 13.081,10.922 13.081,13.691 12.014,14.757 12.014,16.307 11.633,16.688 10.541,16.688 10.439,16.789
  region net GND: 8.128,12.192 8.28,12.344 8.941,12.344 9.144,12.141 9.144,10.49 9.322,10.312 10.287,10.312 10.439,10.16 10.439,6.731 10.312,6.604 8.458,6.604 8.128,6.934
  region net GND: 19.837,21.006 19.406,20.574 19.101,20.574 18.898,20.371 18.898,19.482 19.126,19.253 21.311,19.253 21.565,19.507 21.565,21.869 21.387,22.047 19.939,22.047 19.837,21.946
  region net VIN: 3.632,10.77 4.039,11.176 7.671,11.176 7.823,11.024 7.823,9.728 7.645,9.55 5.613,9.55 5.309,9.246 5.309,6.172 4.902,5.766 3.962,5.766 3.632,6.096
  region net VIN_NB: 13.995,5.385 13.462,4.851 12.116,4.851 10.49,3.226 10.49,0.787 10.922,0.356 11.836,0.356 12.243,0.762 12.243,2.972 12.725,3.454 13.919,3.454 15.799,5.334 15.799,6.147 15.951,6.299 17.526,6.299 17.704,6.477 17.704,8.433 17.348,8.788 17.348,11.582 17.196,11.735 15.037,11.735 14.884,11.582 14.884,9.169 13.995,8.28
  region net VIN: 3.632,6.426 3.632,5.486 4.877,4.242 10.592,4.242 11.659,5.309 12.167,5.309 12.776,5.918 12.776,8.23 12.649,8.357 11.278,8.357 11.125,8.204 11.125,6.35 10.947,6.172 10.465,6.172 9.652,5.359 5.613,5.359 5.309,5.664 5.309,6.172 5.055,6.426
  region net GND: 5.639,7.696 5.639,6.045 5.791,5.893 9.322,5.893 10.033,6.604 10.312,6.604 10.312,6.655 8.407,8.56 8.153,8.56 7.874,8.28 6.223,8.28
  region net VBAT: 18.847,6.477 19.583,5.74 24.079,5.74 24.562,6.223 24.562,7.772 23.927,8.407 19.101,8.407 18.847,8.153
GND (plane layer: these items are gaps in the copper):
  pour cut-out: 69.926,0 69.926,8.331 69.139,9.119 67.081,11.176 67.081,17.653 68.758,19.329 70.891,19.329 71.425,18.796 71.425,16.84 72.339,15.926 75.895,15.926 77.267,14.554 77.267,0
  pour cut-out: 0,67 0,57.6 10.262,57.6 10.262,67
  pour cut-out: 9,67 9,62 36.1,62 36.1,67
  pour cut-out: 5.004,40.137 cw(c5.004,40.437) 4.704,40.437 cw(c5.004,40.437) 5.004,40.737 cw(c5.004,40.437) 5.304,40.437 cw(c5.004,40.437)
  pour cut-out: 3,14.95 cw(c3,16.5) 1.45,16.5 cw(c3,16.5) 3,18.05 cw(c3,16.5) 4.55,16.5 cw(c3,16.5)
  pour cut-out: 9.7,38.95 cw(c9.7,40.5) 8.15,40.5 cw(c9.7,40.5) 9.7,42.05 cw(c9.7,40.5) 11.25,40.5 cw(c9.7,40.5)
VCC (plane layer: these items are gaps in the copper):
  pour cut-out: 69.926,0 69.926,8.331 69.139,9.119 67.081,11.176 67.081,17.653 68.758,19.329 70.891,19.329 71.425,18.796 71.425,16.84 72.339,15.926 75.895,15.926 77.267,14.554 77.267,0
  pour cut-out: 0,67 0,57.6 10.262,57.6 10.262,67
  pour cut-out: 9,67 9,62 36.1,62 36.1,67
  pour cut-out: 94.308,51.385 94.308,32.385 89.808,32.385 89.808,0 102,0 102,35.902 102,51.385
  pour cut-out: 5.004,40.137 cw(c5.004,40.437) 4.704,40.437 cw(c5.004,40.437) 5.004,40.737 cw(c5.004,40.437) 5.304,40.437 cw(c5.004,40.437)
  pour cut-out: 3,14.95 cw(c3,16.5) 1.45,16.5 cw(c3,16.5) 3,18.05 cw(c3,16.5) 4.55,16.5 cw(c3,16.5)
  pour cut-out: 9.7,38.95 cw(c9.7,40.5) 8.15,40.5 cw(c9.7,40.5) 9.7,42.05 cw(c9.7,40.5) 11.25,40.5 cw(c9.7,40.5)
  lines w0.254: 0,22.149 3.581,22.149 4.242,21.488 4.242,19.304 6.375,17.17 6.375,14.961 7.112,14.224 10.084,14.224 ; 0,27.229 3.912,27.229 7.061,24.079 7.061,19.456 8.915,17.602 10.084,16.434 10.084,10.77 10.084,4.089 10.084,0 ; 0,29.693 7.518,29.693 9.373,27.838 9.373,21.92 ; 12.878,0 12.878,7.087 13.208,7.417 14.275,8.484 45.644,8.484 52.934,8.484 61.57,8.484 64.084,10.998 64.084,16.256 70.688,22.86 70.688,41.377 73.05,43.739 76.124,43.739 78.41,46.025 78.41,52.883 77.699,53.594 76.327,53.594 75.387,52.654 75.387,47.625 74.371,46.609 70.968,46.609 67.081,42.723 67.081,27.178 ; 21.438,23.165 22.022,22.581 ; 24.257,20.345 25.044,19.558 ; 29.921,16.612 41.072,16.612 ; 37.998,19.558 34.138,19.558 25.044,19.558 ; 51.537,11.709 59.03,11.709 60.833,13.513 60.833,18.186 67.081,24.435 67.081,27.178 ; 15.697,17.196 16.281,16.612 41.072,16.612 ; 15.697,17.196 15.697,19.558 ; 15.697,17.196 15.697,19.558 ; 15.697,19.558 12.979,22.276 9.373,22.276 9.373,20.523 10.058,19.837 12.954,16.942 12.954,15.291 14.834,13.411 16.485,13.411 27.127,13.411 39.395,13.411 41.097,11.709 43.307,11.709 45.72,11.709 52.4,11.709 52.4,14.173 49.632,16.942 44.501,16.942 ; 15.697,19.558 25.044,19.558 ; 25.044,19.558 41.885,19.558 44.501,16.942 ; 25.044,19.558 21.463,23.139 21.463,42.393 20.117,43.739 8.585,43.739 7.976,43.129 7.976,42.164 7.544,41.732 6.553,41.732 6.071,42.215 6.071,45.212 6.528,45.669 14.402,45.669 16.764,48.031 30.074,48.031 34.773,52.73 47.447,52.73 47.981,52.197 47.981,39.548 51.257,36.271 60.173,36.271 61.341,35.103 61.341,29.312 63.475,27.178 67.081,27.178 ; 41.072,16.612 43.078,14.605 44.044,14.605 44.501,15.062 44.501,16.942

## Silkscreen, mask and mechanical layers (free items; w line width, h text height)
Top Overlay:
  circle w0.254: c3,16.5 r2.5
  text "CLK" at 52.883,18.923 h0.76
  text "R" at 51.079,18.872 h0.76
  text "V" at 61.265,18.872 h0.76
  text "IO" at 56.083,18.821 h0.76
  text "G" at 58.598,18.771 h0.76
Bottom Overlay:
  circle w0.013: c9.7,28.5 r9
  circle w0.013: c9.7,52.5 r9
  lines w0.254: 24.917,9.83 25.298,9.449 ; 25.298,13.97 25.298,9.449 ; 25.679,9.83 25.298,9.449 ; 58.369,1.753 58.649,1.473 ; 58.928,1.753 58.649,1.473 ; 60.071,2.337 58.649,2.337 58.649,1.473
  text "D_T" at 89.459,65.507 h0.76
  text "D_R" at 92.126,65.481 h0.76
  text "G" at 93.828,65.43 h0.76
  text "功耗测试" at 9.474,32.969 h2.54
  text "R" at 51.283,27.356 h0.76
  text "T" at 53.924,27.229 h0.76
  text "G" at 56.464,27.229 h0.76
  text "灯" at 66.015,26.695 h2.54
  text "白" at 32.537,25.502 h2.54
  text "IO" at 56.838,22.953 h0.76
  text "V" at 61.893,22.953 h0.76
  text "CLK" at 54.813,22.936 h0.76
  text "G" at 59.207,22.936 h0.76
  text "R" at 51.537,22.911 h0.76
  text "黑" at 50.622,22.504 h2.54
  text "UWLWn-P60" at 89.347,15.458 h0.89
  text "备电(通信电池)" at 33.909,14.605 h2.54
  text "WX0.012.446PCB-4.2" at 89.321,14.035 h0.89
  text "102010403-0232" at 89.277,12.565 h0.89
  text "2026-1-8" at 89.332,11.176 h0.89
  text "V1" at 89.332,9.804 h0.89
  text "主电" at 7.29,9.55 h2.54
  text "两线阀" at 52.07,9.296 h2.54
  text "119" at 73.025,9.144 h2.54
  text "四线阀" at 43.942,7.722 h2.54
  text "温压" at 35.738,7.417 h2.54
  text "UMU" at 65.227,1.143 h2.54
Mechanical 1:
  circle w0.013: c3,64 r2.5
  circle w0.013: c3,64 r1.5
  circle w0.013: c84,19.5 r2.5
  lines w0.254: 0,36 1.2,36 1.2,45 0,45

## Text inside footprints (layer, text, board x,y; h text height)
B1: Bottom Overlay "+" at 22.24,43.902 h2.03
LCD1: Bottom Overlay "1" at 38.437,58.349 h0.76; Bottom Overlay "26" at 89.986,58.557 h0.76
P1: Top Overlay "+" at 22.174,38.491 h0.86 r90